# Altium PCB 11BRANMB10H2_20170927.pcbdoc (part 10 of 11)
Units mm, origin at the board's own origin, x right, y up, seen from the top; angles counter-clockwise.
Board outline 91.65 x 48.25 mm, 6 copper layers (TOP, GND1, Singal, POWER, GND2, BOTTOM), stack 0.8 mm thick; 370 components, 289 nets, 1421 pads, 980 vias.
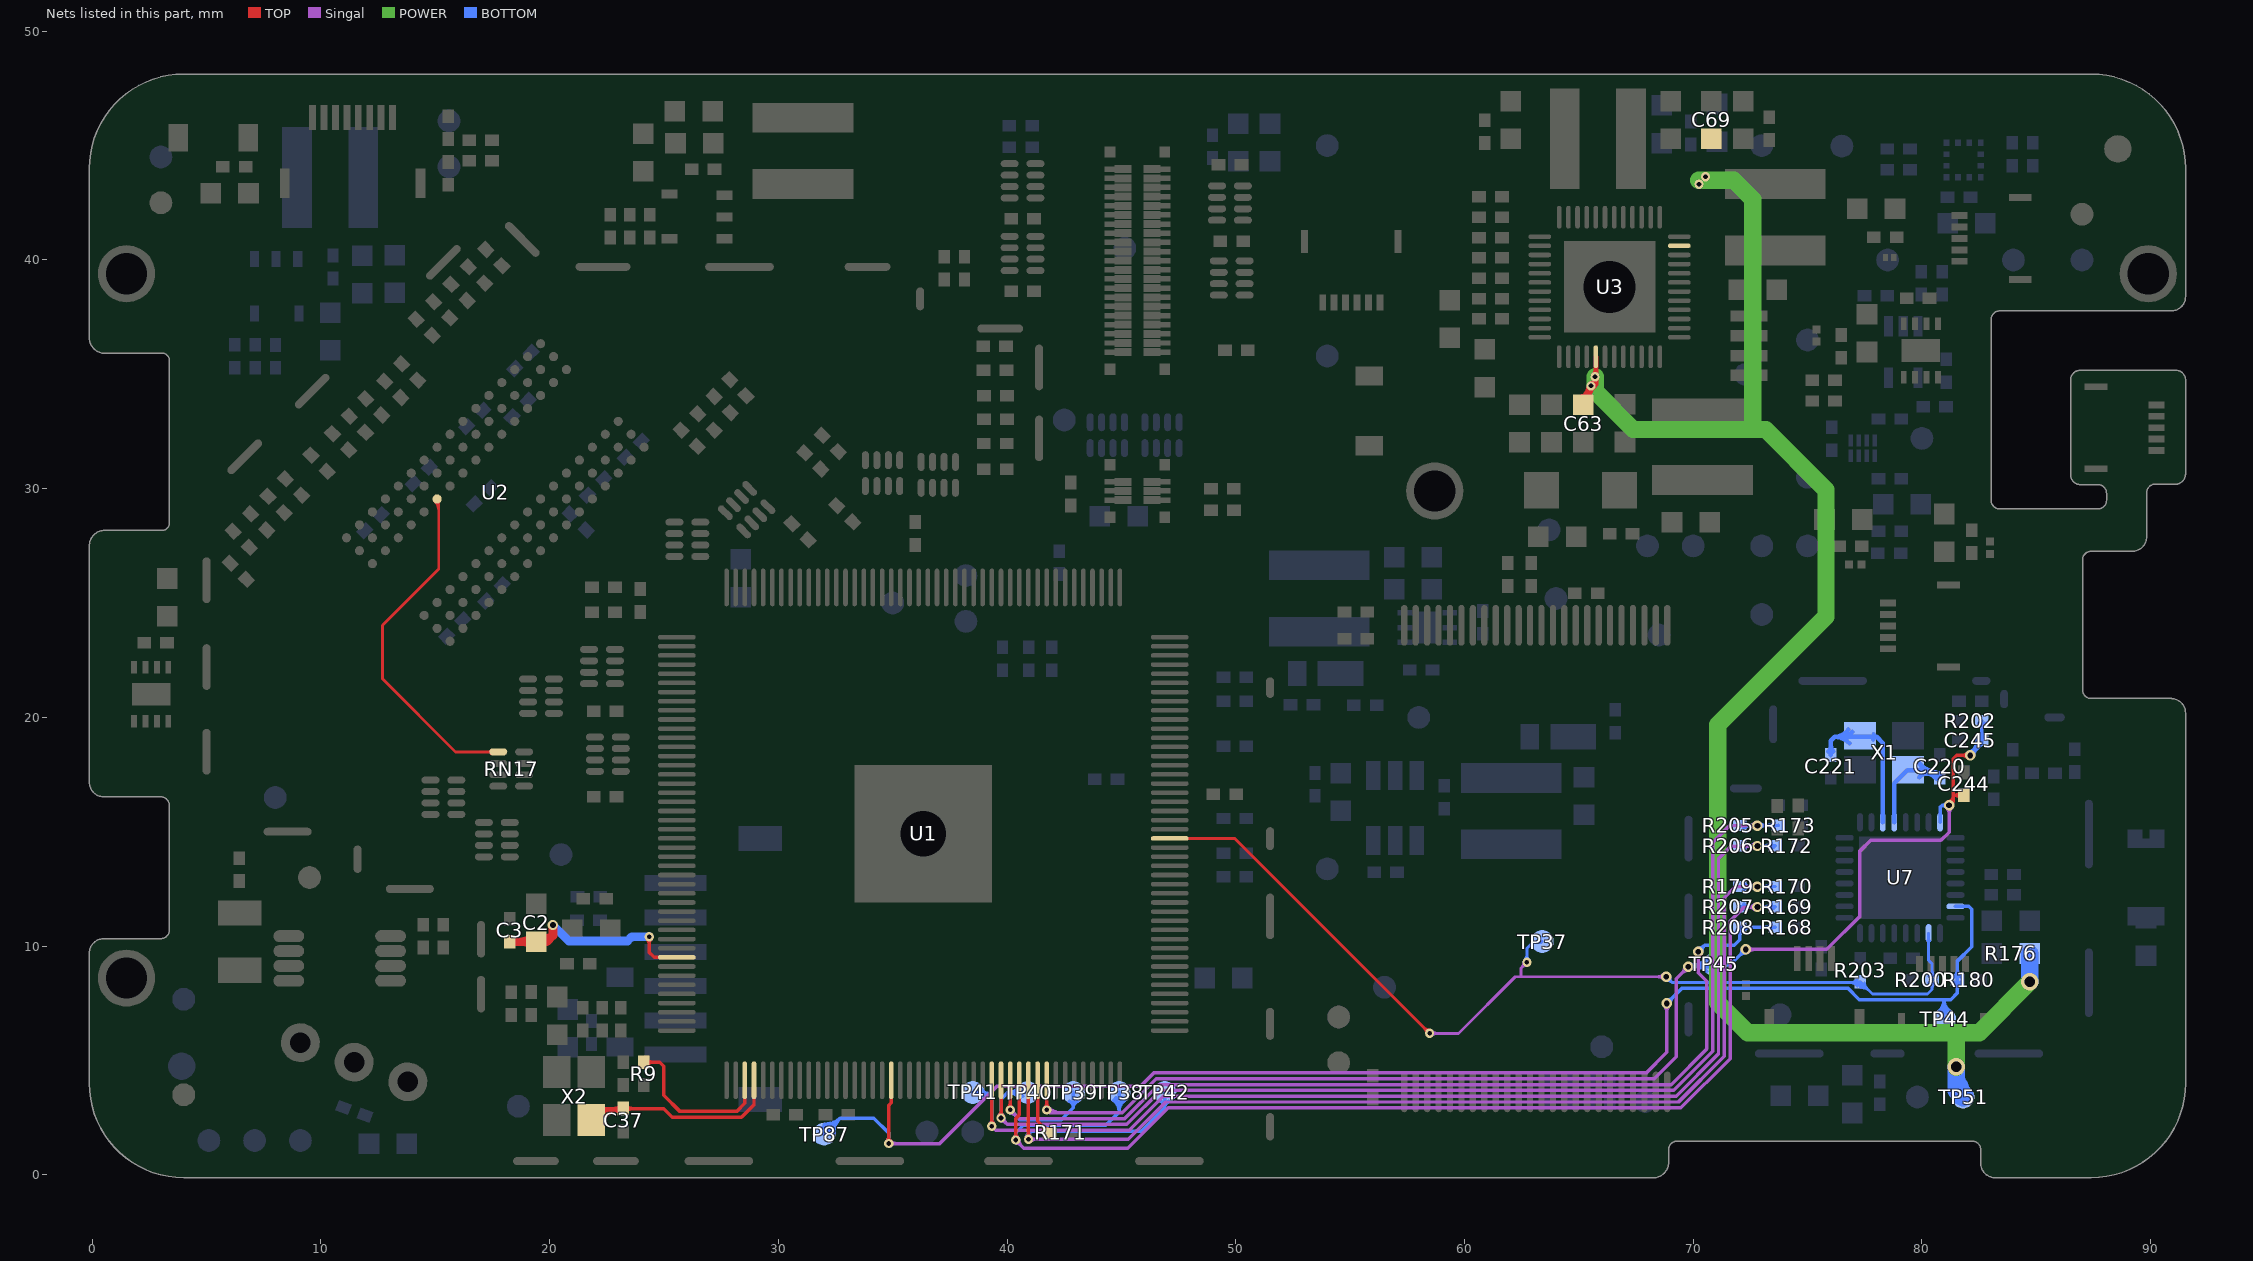
[diagram p14: the nets of this part, all layers, seen from the top]

## Via types
v1: diameter 0.406, hole 0.203, TOP to BOTTOM, tented both sides, 450 vias
v2: diameter 0.457, hole 0.254, TOP to BOTTOM, tented both sides, 256 vias
v3: diameter 0.559, hole 0.305, TOP to BOTTOM, tented both sides, 184 vias
v4: diameter 0.762, hole 0.457, TOP to BOTTOM, tented both sides, 69 vias
v5: diameter 0.61, hole 0.33, TOP to BOTTOM, tented both sides, 11 vias
v6: diameter 0.5, hole 0.2, TOP to BOTTOM, 9 vias
v7: diameter 0.508, hole 0.254, TOP to BOTTOM, tented both sides, 1 vias

## Nets (pads, with @x,y where several pads share a name; then routed paths per layer and width w, separated by ;. In a path a pad name is that pad's centre, name@x,y a point inside that pad or via, vN(x,y) a via of type N, cw(c..) or ccw(c..) an arc to the next point about the centre after c; other vN are vias at no path point) (continued)
VRP: C2.2 C3.2 U1.80 | length 14.4
  TOP w0.152: v1(24.357,10.405) 24.346,10.394 24.346,9.736 24.575,9.508 U1.80@25.56,9.508 ; v1@24.267,10.315 cw(c24.075,10.123) 24.346,10.123 ccw(c24.075,10.123) v1@24.267,10.315 ; 24.346,10.073 cw(c24.689,10.073) 24.447,10.315 ccw(c24.689,10.073) 24.346,10.073
  TOP w0.381: C3.2@18.263,10.193 19.406,10.193 19.871,10.193 ; v2(20.142,10.922) 20.142,10.465 ; 19.871,10.193 ccw(c19.871,9.901) 19.624,10.058 cw(c19.871,9.901) 19.871,10.193 ; 19.871,10.193 cw(c19.871,10.475) 19.628,10.331 ccw(c19.871,10.475) 19.871,10.193 ; 19.871,10.193 20.142,10.465 ; 20.142,10.465 cw(c19.816,10.791) 19.553,10.411 ccw(c19.816,10.791) 20.142,10.465 ; 18.768,10.193 ccw(c18.768,10.836) 19.222,10.381 cw(c18.768,10.836) 18.768,10.193 ; 18.79,10.193 cw(c18.79,9.583) 19.222,10.014 ccw(c18.79,9.583) 18.79,10.193
  BOTTOM w0.381: v2(20.142,10.922) 20.839,10.225 23.405,10.225 23.585,10.405 v1(24.357,10.405)
WE: RN17.1 U2.L3 | length 16.3
  TOP w0.127: U2.L3@14.983,29.454 cw(c14.575,29.046) 15.152,29.046 ; U2.L3@15.072,29.544 cw(c14.881,29.353) 15.152,29.353 ; U2.L3@15.079,29.551 15.152,29.478 15.152,26.49 12.688,24.026 12.688,21.689 15.885,18.492 RN17.1@17.752,18.492 ; RN17.1@17.448,18.429 ccw(c17.297,18.277) 17.297,18.492 ccw(c17.297,18.707) RN17.1@17.448,18.555
WI-FI_EN: R180.1 TP44.1 TP87.1 U1.107 U7.7 | length 81.7
  TOP w0.152: v1(34.822,1.367) 34.822,3.032 34.935,3.145 U1.107@34.935,4.133 ; 34.822,1.674 ccw(c35.128,1.674) 34.911,1.457 cw(c35.128,1.674) 34.822,1.674 ; 34.822,1.674 cw(c34.515,1.674) 34.732,1.457 ccw(c34.515,1.674) 34.822,1.674
  Singal w0.152: v1(34.822,1.367) 37.054,1.367 39.568,3.882 45.843,3.882 46.414,4.453 67.94,4.453 68.846,5.359 v2(68.846,7.493) ; 35.128,1.367 ccw(c35.128,1.061) 34.911,1.278 cw(c35.128,1.061) 35.128,1.367 ; 35.128,1.367 cw(c35.128,1.674) 34.911,1.457 ccw(c35.128,1.674) 35.128,1.367 ; 68.846,7.125 ccw(c68.478,7.125) 68.738,7.385 cw(c68.478,7.125) 68.846,7.125 ; 68.846,7.125 cw(c69.214,7.125) 68.954,7.385 ccw(c69.214,7.125) 68.846,7.125
  BOTTOM w0.152: TP87.1@31.82,1.824 cw(c32.41,1.671) 32.266,2.263 ; TP87.1@31.968,1.786 cw(c32.689,1.599) 32.513,2.323 ; TP87.1@32,1.777 32.7,2.478 ; v1@34.822,1.314 v1(34.822,1.367) 34.822,1.83 34.174,2.478 32.7,2.478 ; v2(68.846,7.493) 69.519,8.166 76.758,8.166 77.266,7.658 80.962,7.658 ; TP44.1@80.987,6.513 TP44.1@81,6.5 ; TP44.1@81,6.8 80.962,6.838 80.962,7.658 ; U7.7@81.468,11.737 82.052,11.737 82.181,11.608 82.181,9.974 81.554,9.347 R180.1@81.554,8.534 81.554,7.958 81.254,7.658 80.962,7.658 ; 32.448,2.226 ccw(c32.877,1.798) 32.271,1.784 cw(c32.877,1.798) 32.448,2.226 ; 32.448,2.226 cw(c32.02,2.654) 32.006,2.049 ccw(c32.02,2.654) 32.448,2.226 ; 32.7,2.478 ccw(c33.369,1.809) 32.424,1.787 cw(c33.369,1.809) 32.7,2.478 ; 32.7,2.478 cw(c32.032,3.146) 32.01,2.201 ccw(c32.032,3.146) 32.7,2.478 ; 34.822,1.674 ccw(c35.128,1.674) 34.911,1.457 cw(c35.128,1.674) 34.822,1.674 ; 34.822,1.674 cw(c34.515,1.674) 34.732,1.457 ccw(c34.515,1.674) 34.822,1.674 ; 69.106,7.753 ccw(c69.367,7.493) 68.999,7.493 cw(c69.367,7.493) 69.106,7.753 ; 69.106,7.753 cw(c68.846,8.013) 68.846,7.645 ccw(c68.846,8.013) 69.106,7.753 ; 80.962,7.658 ccw(c81.566,7.658) 81.233,7.154 cw(c81.566,7.658) 80.962,7.658 ; 80.962,7.658 cw(c80.239,7.658) 80.719,7.117 ccw(c80.239,7.658) 80.962,7.658 ; 81.554,8.115 ccw(c81.135,8.115) 81.431,8.412 cw(c81.135,8.115) 81.554,8.115 ; 81.554,8.115 cw(c81.974,8.115) 81.677,8.412 ccw(c81.974,8.115) 81.554,8.115 ; 81.554,8.954 ccw(c81.974,8.954) 81.677,8.657 cw(c81.974,8.954) 81.554,8.954 ; 81.554,8.954 cw(c81.135,8.954) 81.431,8.657 ccw(c81.135,8.954) 81.554,8.954 ; TP44.1@80.82,7.003 ccw(c80.539,7.319) 80.962,7.319 cw(c80.539,7.319) TP44.1@80.82,7.003 ; 80.962,7.375 ccw(c81.379,7.375) 81.149,7.027 cw(c81.379,7.375) 80.962,7.375
WIFI_3V3: C63.2 C69.2 R176.1 TP51.1 U3.11 U3.41 | length 81.4
  TOP w0.203: C63.2@65.11,34.012 ccw(c65.02,34.349) 65.322,34.175 ; C63.2@65.2,33.676 65.2,33.993 v1@65.616,34.409 ; 65.367,34.252 ccw(c65.577,34.131) C63.2@65.422,33.944 ; v1@65.63,34.52 cw(c65.783,34.562) v1@65.706,34.701 ; U3.41@65.743,35.769 65.749,35.763 v1@65.749,34.899 ; v1@65.476,34.409 cw(c65.404,34.301) 65.516,34.236 ; v1@65.476,34.409 cw(c65.404,34.301) 65.516,34.236 ; v1@65.476,34.409 cw(c65.404,34.301) 65.516,34.236 ; v1@65.616,34.409 ccw(c65.98,34.045) 65.515,33.825 cw(c65.98,34.045) v1@65.616,34.409 ; v1@65.616,34.409 65.749,34.542 v1@65.749,34.899 ; v1@65.749,34.899 cw(c65.433,34.899) 65.508,34.592 ccw(c65.433,34.899) v1@65.749,34.899 ; C63.2@65.24,34.033 ccw(c64.78,34.493) 65.43,34.493 cw(c64.78,34.493) C63.2@65.24,34.033 ; C63.2@65.331,33.738 cw(c65.703,33.914) 65.412,34.205 ccw(c65.703,33.914) C63.2@65.331,33.738 ; v1@65.556,34.394 ccw(c65.496,34.641) 65.749,34.641 cw(c65.496,34.641) v1@65.556,34.394 ; v1@65.638,34.828 cw(c65.369,34.559) 65.749,34.559 ccw(c65.369,34.559) v1@65.638,34.828 ; v1@65.638,34.971 ccw(c65.369,35.24) 65.749,35.24 cw(c65.369,35.24) v1@65.638,34.971
  POWER w0.762: v1(65.71,34.899) 65.71,34.493 65.71,34.264 67.386,32.588 72.732,32.588 ; v1@70.236,43.48 70.256,43.48 70.536,43.48 71.772,43.48 72.605,42.647 72.605,32.715 72.732,32.588 ; v4@81.509,4.699 81.509,4.724 81.509,6.219 ; v4(84.721,8.433) 82.507,6.219 81.509,6.219 ; 72.732,32.588 73.164,32.588 75.806,29.947 75.806,24.409 71.081,19.685 71.081,7.514 72.377,6.219 81.509,6.219
  BOTTOM w0.762: v4(81.495,4.724) 81.495,3.682 81.789,3.389 TP51.1@81.8,3.377 ; 81.617,3.947 cw(c81.028,3.607) TP51.1@81.685,3.431 ; R176.1@84.708,9.677 84.721,9.665 v4(84.721,8.433) ; v4@81.495,4.423 ccw(c82.822,4.423) 81.884,3.484 cw(c82.822,4.423) v4@81.495,4.423
  other v1: 65.532,34.493 70.256,43.307 70.536,43.637
WL-RESTN: C244.2 C245.1 R202.1 TP45.1 U1.124 U7.32 | length 87.6
  TOP w0.152: v1(41.735,2.838) U1.124@41.735,4.133 ; C244.2@81.826,16.594 81.376,16.594 ; v2(82.118,18.339) 81.521,18.339 81.376,18.194 81.376,16.594 ; 41.735,3.145 ccw(c42.042,3.145) 41.825,2.928 cw(c42.042,3.145) 41.735,3.145 ; 41.735,3.145 cw(c41.429,3.145) 41.645,2.928 ccw(c41.429,3.145) 41.735,3.145 ; v2(81.191,16.154) ccw(c81.126,16.396) 81.376,16.396 cw(c81.126,16.396) v2(81.191,16.154) ; v2(81.191,16.154) 81.376,16.34 ; 81.376,16.34 ccw(c81.483,16.234) 81.338,16.194 cw(c81.483,16.234) 81.376,16.34 ; 81.376,16.34 cw(c81.27,16.446) 81.231,16.301 ccw(c81.27,16.446) 81.376,16.34 ; 81.376,16.34 81.376,16.594 ; 81.376,16.594 cw(c81.074,16.594) 81.151,16.302 ccw(c81.074,16.594) 81.376,16.594 ; 81.406,16.594 ccw(c81.406,17.014) 81.703,16.717 cw(c81.406,17.014) 81.406,16.594 ; 81.406,16.594 cw(c81.406,16.175) 81.703,16.471 ccw(c81.406,16.175) 81.406,16.594 ; 81.75,18.339 ccw(c81.75,18.707) 82.01,18.446 cw(c81.75,18.707) 81.75,18.339 ; 81.75,18.339 cw(c81.75,17.971) 82.01,18.231 ccw(c81.75,17.971) 81.75,18.339
  Singal w0.152: v1(41.735,2.838) 41.862,2.711 45.031,2.711 46.519,4.199 68.301,4.199 69.266,5.165 69.266,8.573 v2(69.786,9.093) ; v2(72.301,9.855) 75.836,9.855 77.292,11.311 77.292,14.16 77.762,14.63 80.835,14.63 81.191,14.986 v2(81.191,16.154) ; 69.526,8.833 ccw(c69.266,9.093) 69.634,9.093 cw(c69.266,9.093) 69.526,8.833 ; 69.526,8.833 cw(c69.786,8.573) 69.786,8.941 ccw(c69.786,8.573) 69.526,8.833 ; 72.669,9.855 ccw(c72.669,9.487) 72.408,9.747 cw(c72.669,9.487) 72.669,9.855 ; 72.669,9.855 cw(c72.669,10.223) 72.408,9.963 ccw(c72.669,10.223) 72.669,9.855 ; 81.191,15.786 ccw(c80.823,15.786) 81.083,16.047 cw(c80.823,15.786) 81.191,15.786 ; 81.191,15.786 cw(c81.559,15.786) 81.298,16.047 ccw(c81.559,15.786) 81.191,15.786 ; v1@41.717,2.82 ccw(c41.98,3.083) 41.98,2.711 cw(c41.98,3.083) v1@41.717,2.82 ; v1@41.825,2.928 ccw(c42.348,3.451) 42.348,2.711 cw(c42.348,3.451) v1@41.825,2.928
  BOTTOM w0.152: v2@69.735,9.093 v2(69.786,9.093) ; v2(72.301,9.855) 71.645,9.2 ; U7.32@80.793,15.412 80.793,16.062 80.886,16.154 ; v2(81.191,16.154) 80.886,16.154 ; v2(82.118,18.339) 82.618,18.839 C245.1@82.618,18.999 R202.1@82.618,19.863 ; v2@82.254,18.407 cw(c82.403,18.481) 82.32,18.625 ; 82.289,18.606 cw(c82.881,18.447) C245.1@82.579,18.98 ; C245.1@82.425,18.9 cw(c82.211,18.752) 82.463,18.685 cw(c82.661,18.632) C245.1@82.611,18.83 ; v2(69.786,9.093) ccw(c69.786,10.104) 70.571,9.467 cw(c69.786,10.104) v2(69.786,9.093) ; v2(69.786,9.093) 70.793,9.093 TP45.1@70.9,9.2 71.645,9.2 ; v2@69.862,9.225 ccw(c70.046,9.544) 70.141,9.188 ; v2@69.862,9.225 ccw(c70.046,9.544) 70.141,9.188 ; v2@69.862,9.225 ccw(c70.046,9.544) 70.141,9.188 ; v2@69.918,9.017 cw(c70.237,8.833) 70.141,9.188 ; v2@69.918,9.017 cw(c70.237,8.833) 70.141,9.188 ; v2@69.918,9.017 cw(c70.237,8.833) 70.141,9.188 ; 70.154,9.093 ccw(c70.154,8.725) 69.894,8.985 cw(c70.154,8.725) 70.154,9.093 ; 70.154,9.093 cw(c70.154,9.461) 69.894,9.201 ccw(c70.154,9.461) 70.154,9.093 ; 71.645,9.2 ccw(c71.645,8.756) 71.264,8.983 cw(c71.645,8.756) 71.645,9.2 ; 71.645,9.2 cw(c71.645,9.644) 71.264,9.417 ccw(c71.645,9.644) 71.645,9.2 ; 72.04,9.595 ccw(c71.78,9.855) 72.148,9.855 cw(c71.78,9.855) 72.04,9.595 ; 72.04,9.595 cw(c72.301,9.335) 72.301,9.703 ccw(c72.301,9.335) 72.04,9.595 ; 80.886,16.154 ccw(c80.886,16.383) 81.069,16.246 cw(c80.886,16.383) 80.886,16.154 ; 80.886,16.154 cw(c80.886,15.926) 81.069,16.063 ccw(c80.886,15.926) 80.886,16.154 ; v2@82.079,18.486 ccw(c81.982,18.847) 82.306,18.66 ; v2@82.079,18.486 ccw(c81.982,18.847) 82.306,18.66 ; v2@82.079,18.486 ccw(c81.982,18.847) 82.306,18.66 ; v2@82.265,18.378 cw(c82.615,18.472) 82.302,18.653 ; v2@82.265,18.378 cw(c82.615,18.472) 82.302,18.653 ; v2@82.265,18.378 cw(c82.615,18.472) 82.302,18.653 ; 82.378,18.599 ccw(c82.639,18.339) 82.271,18.339 cw(c82.639,18.339) 82.378,18.599 ; 82.378,18.599 cw(c82.118,18.859) 82.118,18.491 ccw(c82.118,18.859) 82.378,18.599 ; 82.618,19.419 ccw(c83.038,19.419) 82.741,19.122 cw(c83.038,19.419) 82.618,19.419 ; 82.618,19.419 cw(c82.199,19.419) 82.495,19.122 ccw(c82.199,19.419) 82.618,19.419 ; 82.618,19.443 ccw(c82.199,19.443) 82.495,19.74 cw(c82.199,19.443) 82.618,19.443 ; 82.618,19.443 cw(c83.038,19.443) 82.741,19.74 ccw(c83.038,19.443) 82.618,19.443 ; 70.106,9.093 ccw(c70.106,9.844) 70.689,9.371 cw(c70.106,9.844) 70.106,9.093 ; 70.135,9.093 cw(c70.135,8.435) 70.6,8.9 ccw(c70.135,8.435) 70.135,9.093 ; v2@82.123,18.343 ccw(c81.467,18.999) 82.394,18.999 cw(c81.467,18.999) v2@82.123,18.343 ; 82.383,18.603 ccw(c81.987,18.999) 82.547,18.999 cw(c81.987,18.999) 82.383,18.603
WL-SDIO-CLK: R171.1 U1.123 | length 4.2
  TOP w0.152: U1.123@41.335,4.133 41.335,2.348 R171.1@41.854,1.829 ; 41.554,2.115 ccw(c41.921,2.213) R171.1@41.81,1.849 ; 41.472,2.211 cw(c41.09,1.829) 41.63,1.829 ccw(c41.09,1.829) 41.472,2.211 ; 41.593,2.09 ccw(c41.804,2.301) 41.804,2.003 cw(c41.804,2.301) 41.593,2.09
WL-SDIO-CMD: R170.1 R179.2 TP42.1 U1.122 | length 63.5
  TOP w0.152: v1@40.935,1.521 v1(40.935,1.549) ; U1.122@40.935,4.133 40.932,4.13 40.932,2.384 40.935,2.381 v1(40.935,1.549) ; v1@40.845,1.639 ccw(c40.628,1.856) 40.935,1.856 ; v1@40.845,1.639 ccw(c40.628,1.856) 40.935,1.856 ; v1@40.846,1.638 v1(40.935,1.549) ; 40.935,1.856 ccw(c41.242,1.856) 41.025,1.639 cw(c41.242,1.856) 40.935,1.856
  Singal w0.152: v1(40.935,1.549) 45.306,1.549 46.94,3.183 69.359,3.183 71.361,5.185 71.361,12.116 71.843,12.598 v2(72.809,12.598) ; 41.242,1.549 ccw(c41.242,1.243) 41.025,1.46 cw(c41.242,1.243) 41.242,1.549 ; 41.242,1.549 cw(c41.242,1.856) 41.025,1.639 ccw(c41.242,1.856) 41.242,1.549 ; 72.441,12.598 ccw(c72.441,12.966) 72.701,12.706 cw(c72.441,12.966) 72.441,12.598 ; 72.441,12.598 cw(c72.441,12.23) 72.701,12.491 ccw(c72.441,12.23) 72.441,12.598
  BOTTOM w0.152: v1(40.935,1.549) 40.935,1.807 ; TP42.1@46.9,3.6 46.9,2.938 ; R179.2@72.039,12.606 72.809,12.606 R170.1@73.59,12.606 ; 40.935,1.807 ccw(c41.133,1.807) 41.012,1.65 cw(c41.133,1.807) 40.935,1.807 ; 40.935,1.807 cw(c40.738,1.807) 40.858,1.65 ccw(c40.738,1.807) 40.935,1.807 ; 40.935,1.807 41.033,1.905 ; 41.033,1.905 ccw(c41.17,1.768) 41.028,1.636 cw(c41.17,1.768) 41.033,1.905 ; 41.033,1.905 45.859,1.905 46.892,2.938 46.9,2.938 ; 46.9,2.938 ccw(c46.595,2.938) 46.723,3.215 cw(c46.595,2.938) 46.9,2.938 ; 46.9,2.938 cw(c47.205,2.938) 47.077,3.215 ccw(c47.205,2.938) 46.9,2.938 ; 72.508,12.606 ccw(c72.508,12.187) 72.211,12.483 cw(c72.508,12.187) 72.508,12.606 ; 72.508,12.606 cw(c72.508,13.026) 72.211,12.729 ccw(c72.508,13.026) 72.508,12.606 ; 73.12,12.606 ccw(c73.12,13.026) 73.417,12.729 cw(c73.12,13.026) 73.12,12.606 ; 73.12,12.606 cw(c73.12,12.187) 73.417,12.483 ccw(c73.12,12.187) 73.12,12.606 ; v1@40.916,1.532 cw(c41.054,1.66) 40.921,1.793 ccw(c41.054,1.66) v1@40.916,1.532 ; 72.422,12.606 cw(c72.422,12.212) 72.701,12.491 ccw(c72.422,12.212) 72.422,12.606 ; 72.459,12.606 ccw(c72.459,12.948) 72.701,12.706 cw(c72.459,12.948) 72.459,12.606 ; v2@72.916,12.491 cw(c73.195,12.212) 73.195,12.606 ccw(c73.195,12.212) v2@72.916,12.491 ; v2@72.916,12.706 ccw(c73.158,12.948) 73.158,12.606 cw(c73.158,12.948) v2@72.916,12.706
WL-SDIO-D0: R172.1 R206.1 TP41.1 U1.118 | length 58.9
  TOP w0.152: v1(39.335,2.127) U1.118@39.335,4.133 ; 39.335,2.433 ccw(c39.642,2.433) 39.425,2.217 cw(c39.642,2.433) 39.335,2.433 ; 39.335,2.433 cw(c39.028,2.433) 39.245,2.217 ccw(c39.028,2.433) 39.335,2.433
  Singal w0.152: v1(39.335,2.127) 39.513,1.949 45.347,1.949 46.835,3.437 69.254,3.437 71.107,5.29 71.107,13.818 71.666,14.376 v2(72.809,14.376) ; 72.441,14.376 ccw(c72.441,14.744) 72.701,14.484 cw(c72.441,14.744) 72.441,14.376 ; 72.441,14.376 cw(c72.441,14.008) 72.701,14.269 ccw(c72.441,14.008) 72.441,14.376
  BOTTOM w0.152: TP41.1@38.5,3.6 38.544,3.556 39.154,3.556 ; v1(39.335,2.127) 39.335,3.374 39.154,3.556 ; R206.1@72.038,14.384 72.809,14.384 R172.1@73.59,14.384 R172.1@73.527,14.321 ; 39.154,3.556 ccw(c39.154,3.228) 38.868,3.39 cw(c39.154,3.228) 39.154,3.556 ; 39.154,3.556 cw(c39.154,3.823) 38.901,3.737 ccw(c39.154,3.823) 39.154,3.556 ; 39.335,2.433 ccw(c39.642,2.433) 39.425,2.217 cw(c39.642,2.433) 39.335,2.433 ; 39.335,2.433 cw(c39.028,2.433) 39.245,2.217 ccw(c39.028,2.433) 39.335,2.433 ; 72.508,14.384 ccw(c72.508,13.965) 72.211,14.261 cw(c72.508,13.965) 72.508,14.384 ; 72.508,14.384 cw(c72.508,14.804) 72.211,14.507 ccw(c72.508,14.804) 72.508,14.384 ; 72.421,14.384 cw(c72.421,13.989) 72.701,14.269 ccw(c72.421,13.989) 72.421,14.384 ; 72.46,14.384 ccw(c72.46,14.725) 72.701,14.484 cw(c72.46,14.725) 72.46,14.384 ; v2@72.916,14.269 cw(c73.196,13.989) 73.196,14.384 ccw(c73.196,13.989) v2@72.916,14.269 ; v2@72.916,14.484 ccw(c73.157,14.725) 73.157,14.384 cw(c73.157,14.725) v2@72.916,14.484 ; 73.12,14.384 cw(c73.12,13.964) 73.417,14.261 ccw(c73.12,13.964) 73.12,14.384 ; 73.121,14.384 ccw(c73.121,14.803) 73.417,14.507 cw(c73.121,14.803) 73.121,14.384
WL-SDIO-D1: R173.1 R205.1 TP40.1 U1.119 | length 62.6
  TOP w0.152: v1@39.735,2.384 v1(39.735,2.482) U1.119@39.735,4.133 ; 39.735,2.789 ccw(c40.042,2.789) 39.825,2.572 cw(c40.042,2.789) 39.735,2.789 ; 39.735,2.789 cw(c39.429,2.789) 39.645,2.572 ccw(c39.429,2.789) 39.735,2.789
  Singal w0.152: v1(39.735,2.482) 40.015,2.203 45.241,2.203 46.73,3.691 69.148,3.691 70.853,5.396 70.853,14.529 71.589,15.265 v2(72.809,15.265) v2@72.834,15.265 ; 39.952,2.266 ccw(c39.735,2.049) 39.735,2.355 cw(c39.735,2.049) 39.952,2.266 ; 39.952,2.266 cw(c40.169,2.482) 39.862,2.482 ccw(c40.169,2.482) 39.952,2.266 ; 72.441,15.265 ccw(c72.441,15.633) 72.701,15.373 cw(c72.441,15.633) 72.441,15.265 ; 72.441,15.265 cw(c72.441,14.897) 72.701,15.158 ccw(c72.441,14.897) 72.441,15.265
  BOTTOM w0.152: v1@39.673,2.545 v1(39.735,2.482) 39.735,3.299 40.036,3.6 ; TP40.1@40.9,3.6 40.036,3.6 ; R205.1@72.038,15.273 72.809,15.273 73.709,15.273 R173.1@73.715,15.279 ; 39.735,2.789 ccw(c40.042,2.789) 39.825,2.572 cw(c40.042,2.789) 39.735,2.789 ; 39.735,2.789 cw(c39.429,2.789) 39.645,2.572 ccw(c39.429,2.789) 39.735,2.789 ; 40.036,3.6 ccw(c40.036,4.269) 40.565,3.859 cw(c40.036,4.269) 40.036,3.6 ; 40.036,3.6 cw(c40.036,2.931) 40.565,3.341 ccw(c40.036,2.931) 40.036,3.6 ; 40.347,3.6 ccw(c40.347,4.029) 40.685,3.766 cw(c40.347,4.029) 40.347,3.6 ; 40.347,3.6 cw(c40.347,3.171) 40.685,3.434 ccw(c40.347,3.171) 40.347,3.6 ; 72.508,15.273 ccw(c72.508,14.854) 72.211,15.15 cw(c72.508,14.854) 72.508,15.273 ; 72.508,15.273 cw(c72.508,15.693) 72.211,15.396 ccw(c72.508,15.693) 72.508,15.273 ; 72.421,15.273 cw(c72.421,14.878) 72.701,15.158 ccw(c72.421,14.878) 72.421,15.273 ; 72.46,15.273 ccw(c72.46,15.614) 72.701,15.373 cw(c72.46,15.614) 72.46,15.273 ; v2@72.916,15.158 cw(c73.196,14.878) 73.196,15.273 ccw(c73.196,14.878) v2@72.916,15.158 ; v2@72.916,15.373 ccw(c73.157,15.614) 73.157,15.273 cw(c73.157,15.614) v2@72.916,15.373 ; 73.232,15.273 ccw(c73.232,15.713) 73.542,15.402 cw(c73.232,15.713) 73.232,15.273 ; 73.26,15.273 cw(c73.26,14.874) 73.542,15.156 ccw(c73.26,14.874) 73.26,15.273
WL-SDIO-D2: R168.1 R208.1 TP39.1 U1.120 | length 56.1
  TOP w0.152: v1(40.135,2.838) U1.120@40.135,4.133 ; 40.135,3.145 ccw(c40.442,3.145) 40.225,2.928 cw(c40.442,3.145) 40.135,3.145 ; 40.135,3.145 cw(c39.829,3.145) 40.045,2.928 ccw(c39.829,3.145) 40.135,3.145
  Singal w0.152: v1(40.135,2.838) 40.516,2.457 45.136,2.457 46.624,3.945 69.043,3.945 70.599,5.501 70.599,8.458 70.218,8.839 v2(70.218,9.754) ; 40.352,2.621 ccw(c40.135,2.404) 40.135,2.711 cw(c40.135,2.404) 40.352,2.621 ; 40.352,2.621 cw(c40.569,2.838) 40.262,2.838 ccw(c40.569,2.838) 40.352,2.621 ; 70.218,9.386 ccw(c69.85,9.386) 70.11,9.646 cw(c69.85,9.386) 70.218,9.386 ; 70.218,9.386 cw(c70.586,9.386) 70.326,9.646 ccw(c70.586,9.386) 70.218,9.386
  BOTTOM w0.152: v1(40.135,2.838) 40.56,2.413 42.375,2.413 42.9,2.938 ; TP39.1@42.9,3.6 42.9,2.938 ; v2(70.218,9.754) 70.497,10.033 71.793,10.033 72.038,10.279 R208.1@72.038,10.828 R168.1@73.59,10.828 ; 40.352,2.621 ccw(c40.135,2.404) 40.135,2.711 cw(c40.135,2.404) 40.352,2.621 ; 40.352,2.621 cw(c40.569,2.838) 40.262,2.838 ccw(c40.569,2.838) 40.352,2.621 ; 42.9,2.938 ccw(c42.595,2.938) 42.723,3.215 cw(c42.595,2.938) 42.9,2.938 ; 42.9,2.938 cw(c43.205,2.938) 43.077,3.215 ccw(c43.205,2.938) 42.9,2.938 ; 70.478,10.014 ccw(c70.738,9.754) 70.37,9.754 cw(c70.738,9.754) 70.478,10.014 ; 70.478,10.014 cw(c70.218,10.274) 70.218,9.906 ccw(c70.218,10.274) 70.478,10.014 ; 72.038,10.409 ccw(c71.619,10.409) 71.916,10.705 cw(c71.619,10.409) 72.038,10.409 ; 72.038,10.409 cw(c72.458,10.409) 72.161,10.705 ccw(c72.458,10.409) 72.038,10.409 ; 72.508,10.828 ccw(c72.508,10.409) 72.211,10.705 cw(c72.508,10.409) 72.508,10.828 ; 72.508,10.828 cw(c72.508,11.248) 72.211,10.951 ccw(c72.508,11.248) 72.508,10.828 ; 73.12,10.828 cw(c73.12,10.408) 73.417,10.705 ccw(c73.12,10.408) 73.12,10.828 ; 73.121,10.828 ccw(c73.121,11.247) 73.417,10.951 cw(c73.121,11.247) 73.121,10.828
WL-SDIO-D3: R169.1 R207.1 TP38.1 U1.121 | length 63.4
  TOP w0.127: U1.121@40.535,4.133 U1.121@40.538,4.13
  TOP w0.152: v1(40.384,1.52) 40.384,2.462 40.538,2.616 U1.121@40.538,4.13 ; 40.384,1.826 ccw(c40.691,1.826) 40.474,1.61 cw(c40.691,1.826) 40.384,1.826 ; 40.384,1.826 cw(c40.078,1.826) 40.294,1.61 ccw(c40.078,1.826) 40.384,1.826
  Singal w0.152: v1(40.384,1.52) 40.736,1.168 45.284,1.168 47.045,2.929 69.464,2.929 71.615,5.08 71.615,11.1 72.224,11.709 v2(72.809,11.709) ; 40.601,1.303 ccw(c40.384,1.086) 40.384,1.393 cw(c40.384,1.086) 40.601,1.303 ; 40.601,1.303 cw(c40.818,1.52) 40.511,1.52 ccw(c40.818,1.52) 40.601,1.303 ; 72.441,11.709 ccw(c72.441,12.077) 72.701,11.817 cw(c72.441,12.077) 72.441,11.709 ; 72.441,11.709 cw(c72.441,11.341) 72.701,11.602 ccw(c72.441,11.341) 72.441,11.709
  BOTTOM w0.152: v1(40.384,1.52) 40.384,1.84 40.703,2.159 44.31,2.159 44.919,2.769 44.9,2.788 ; TP38.1@44.9,3.6 44.9,2.788 ; R207.1@72.038,11.717 72.809,11.717 R169.1@73.59,11.717 R169.1@73.527,11.654 ; 40.384,1.826 ccw(c40.691,1.826) 40.474,1.61 cw(c40.691,1.826) 40.384,1.826 ; 40.384,1.826 cw(c40.078,1.826) 40.294,1.61 ccw(c40.078,1.826) 40.384,1.826 ; 44.9,2.788 ccw(c44.334,2.788) 44.658,3.252 cw(c44.334,2.788) 44.9,2.788 ; 44.9,2.788 cw(c45.466,2.788) 45.142,3.252 ccw(c45.466,2.788) 44.9,2.788 ; 44.9,3.08 ccw(c44.538,3.08) 44.745,3.377 cw(c44.538,3.08) 44.9,3.08 ; 44.9,3.08 cw(c45.262,3.08) 45.055,3.377 ccw(c45.262,3.08) 44.9,3.08 ; 72.508,11.717 ccw(c72.508,11.298) 72.211,11.594 cw(c72.508,11.298) 72.508,11.717 ; 72.508,11.717 cw(c72.508,12.137) 72.211,11.84 ccw(c72.508,12.137) 72.508,11.717 ; 72.421,11.717 cw(c72.421,11.322) 72.701,11.602 ccw(c72.421,11.322) 72.421,11.717 ; 72.46,11.717 ccw(c72.46,12.058) 72.701,11.817 cw(c72.46,12.058) 72.46,11.717 ; v2@72.916,11.602 cw(c73.196,11.322) 73.196,11.717 ccw(c73.196,11.322) v2@72.916,11.602 ; v2@72.916,11.817 ccw(c73.157,12.058) 73.157,11.717 cw(c73.157,12.058) v2@72.916,11.817 ; 73.12,11.717 cw(c73.12,11.297) 73.417,11.594 ccw(c73.12,11.297) 73.12,11.717 ; 73.121,11.717 ccw(c73.121,12.136) 73.417,11.84 cw(c73.121,12.136) 73.121,11.717